# Allegro board trx_layout.brd (continued)
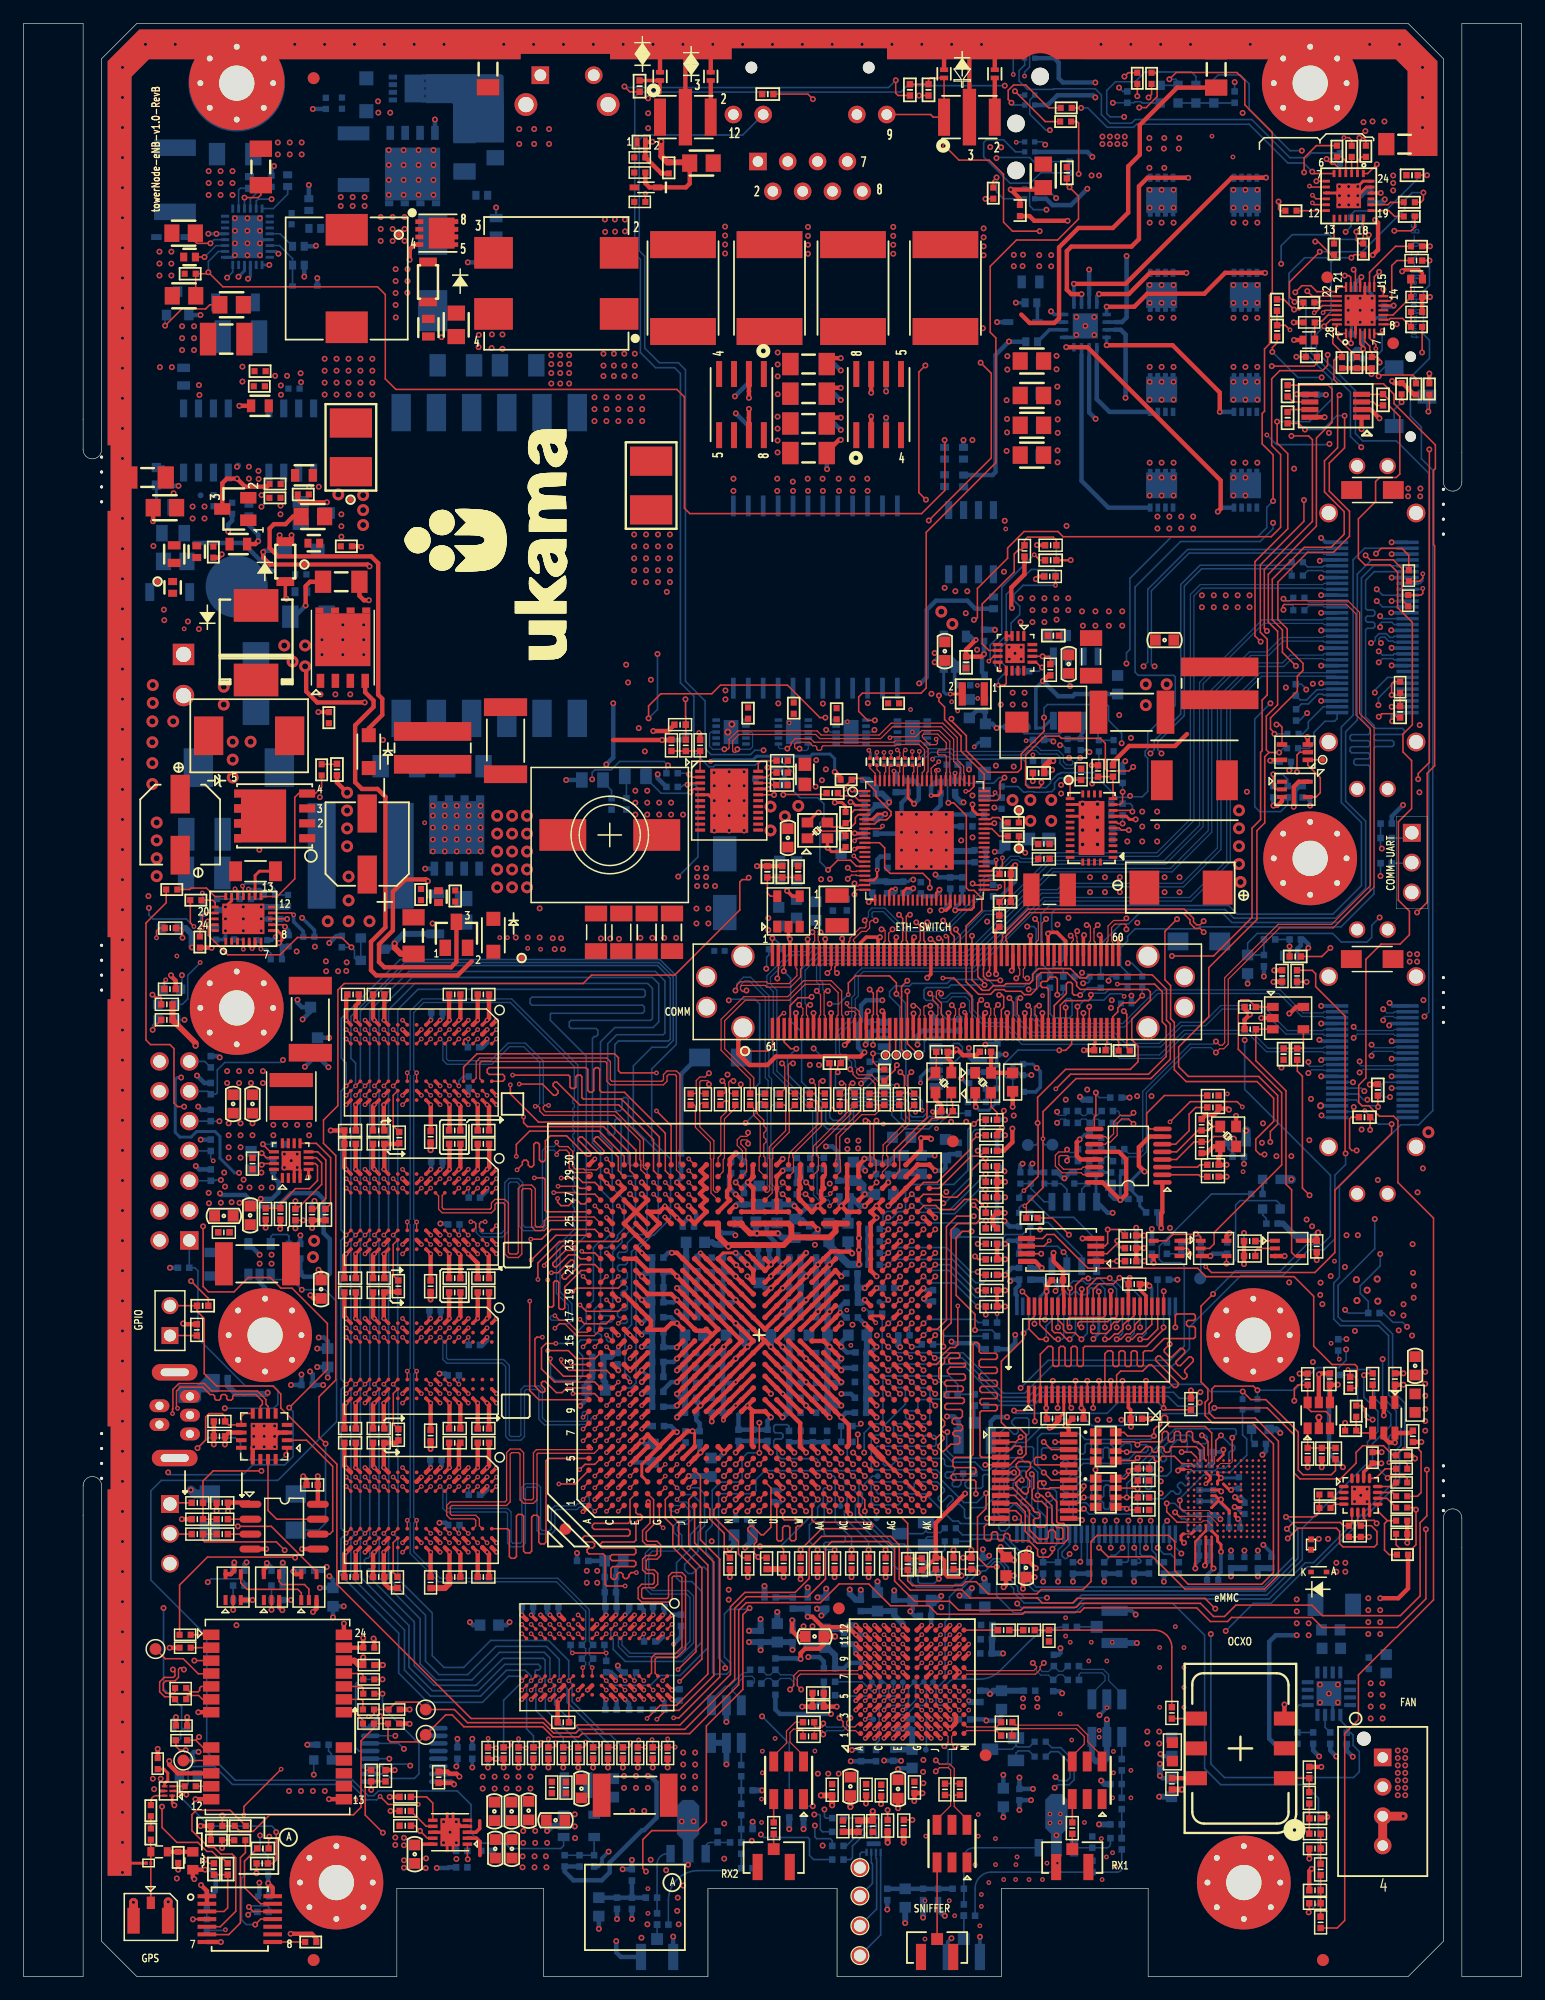
[diagram p0: board, top side]
## Nets (continued)
GND: C1.2(B[0]) C2B1.2(B[0]) C5.2(B[0]) C6.1 C8.2(B[0]) C9.2(B[0]) C19.2(B[0]) C20.2 C21.1 C23.1 C25.2 C26.2 C27.2 C28.2 C29.2 C30.1 C31.2(B[0]) C32.2(B[0]) C33.2(B[0]) C34.2(B[0]) C37.2 C38.2 C40.1 C41.2 C43.2 C48.2 C49.2 C52.2 C53.2 C54.2 C55.2 C56.2(B[0]) C57.2 C58.2 C59.2 C60.2 C61.2 C62.2 C63.2 C76.2 C77.2 C79.2 C80.2 C81.2 C82.2 C83.2 C84.2 C85.2 C86.2 C87.2 C88.2 C89.2 C90.2 C91.2 C92.2 C93.1 C94.1 C95.2 C96.2 C97.2 C98.2 C99.2 C100.2 C101.2 C102.2 C103.2 C104.2 C105.2 C106.2 C107.2 C108.2 C109.2 C110.2 C111.2 C112.2 C113.2 C114.2 C115.2 C116.1 C117.2 C118.2 C119.2 C120.2 C121.2 C122.2 C123.1 C124.2 C125.2 C126.2 C127.2 C128.2 C129.1 C130.1 C133.2 C134.2 C135.2 C136.2 C137.2 C138.2 C139.2 C141.2 C142.1 C143.1 C144.1 C145.1 C148.1 C151.1 C152.2 C153.2 C154.2 C156.2 C157.2 C158.2 C159.2 C160.2 C163.2 C164.2 C165.2 C166.2 C167.2 C168.2 C169.2 C170.2 C171.2 C172.2 C176.2 C177.2 C178.2 C179.2 C180.2 C181.2 C182.2 C193.2(B[0]) C195.2(B[0]) C196.2(B[0]) C200.2 C201.2 C203.2 C206.2 C209.1 C210.2 C211.2 C212.2 C213.2 C220.1 C225.2 C226.2 C231.2 C235.2 C236.2(B[0]) C237.2(B[0]) C238.2 C239.2 C240.2(B[0]) C241.2 C242.1 C248.2 C249.2 C251.2 C252.2 C254.2 C257.2 C258.2 C259.2 C260.2 C261.2 C262.2 C263.2 C264.2 C266.2 C267.2 C268.2 C269.2 C270.2 C271.2 C272.2 C273.2 C274.2 C275.2 C276.2 C277.2 C278.2 C279.2 C280.2 C281.2 C282.2 C283.2 C286.2 C287.2 C288.2 C289.2 C290.2 C291.2 C292.2 C293.2 C294.2 C295.2 C296.2 C297.2 C298.2 C299.2 C302.2 C303.2 C304.2 C305.2 C306.2 C307.2 C308.2 C309.2 C310.2 C311.2 C312.2 C313.2 C314.2 C315.2 C316.2 C317.2 C318.2 C319.2 C320.2 C321.2 C322.2 C323.2 C324.2 C325.2 C326.2 C327.2 C328.2 C329.2 C330.2 C331.2 C332.2 C333.2 C334.2 C335.2 C336.2 C337.2 C338.2 C339.2 C340.2 C341.2 C342.2 C343.2 C344.2 C345.2 C346.2 C347.2 C348.2 C349.2 C350.2 C351.2 C352.2 C353.2 C354.2 C355.2 C356.2 C357.2 C358.2 C359.2 C360.2 C361.2 C362.2 C363.2 C364.2 C365.2 C366.2 C367.2 C368.2 C369.2 C370.2 C371.2 C372.2 C373.2 C374.2 C375.2 C376.2 C377.2 C378.2 C379.2 C380.2 C381.2 C382.2 C383.2 C384.2 C385.2 C386.2 C387.2 C388.2 C389.2 C390.2 C391.2 C392.2 C393.2 C394.2 C395.2 C396.2 C397.2 C398.2 C399.1 C400.2 C401.2 C402.2 C403.2 C404.2 C405.2 C406.2 C407.2 C408.2 C409.1 C410.2 C411.2 C412.2 C413.2 C414.2 C415.2 C416.1 C417.2 C418.2 C420.2 C421.2 C424.2 C428.2 C429.2 C430.2 C431.2 C432.2 C433.2 C434.2 C435.2 C436.1 C437.2 C438.2 C439.2 C440.2 C441.1 C444.2 C445.2 C446.2 C447.2 C448.2 C449.2 C450.2 C451.2 C452.2 C456.2 C458.1 C459.1 C461.2 C462.1 C463.1 C464.2 C601.2 C602.2 C603.2 C604.2 C605.2 C606.1 C607.1 C616.2 C617.2 C618.2 C619.2 C620.2 C621.2 C622.2 C623.2 C624.2 C625.2 C626.2 C627.2 C628.2 C629.2 C630.2 C631.2 C632.2 C633.2 C634.2 C635.2 C636.2 C638.2 C639.2 C640.2 C641.2 C642.2 C643.2 C644.2 C645.2 C646.2 C647.2 C648.2 C649.2 C650.2 C651.2 C652.1 C653.2 C654.1 CON1.2 CON1.3 D5.2 D8.3 D9.2 D22.2 D24.K D26.2 D28.2 H3.1 H3.2 H3.3 H3.4 H3.5 H3.6 H3.7 H3.8 H3.9 H4.1 H4.2 H4.3 H4.4 H4.5 H4.6 H4.7 H4.8 H4.9 H5.1 H5.2 H5.3 H5.4 H5.5 H5.6 H5.7 H5.8 H5.9 H6.1 H6.2 H6.3 H6.4 H6.5 H6.6 H6.7 H6.8 H6.9 H7.1 H7.2 H7.3 H7.4 H7.5 H7.6 H7.7 H7.8 H7.9 H8.1 H8.2 H8.3 H8.4 H8.5 H8.6 H8.7 H8.8 H8.9 J1.3 J1.4 J3.3 J4.4 J4.7 J4.10 J4.13 J4.16 J4.19 J4.22 J4.25 J4.28 J4.39 J4.42 J4.45 J4.48 J4.51 J4.54 J4.57 J4.60 J4.65 J4.68 J4.71 J4.74 J4.77 J4.80 J4.85 J4.88 J4.91 J4.94 J4.97 J4.101 J4.104 J4.107 J4.G1 J4.G2 J4.G3 J4.G4 J5.2 J5.4 J5.6 J5.8 J5.10 J7.5 J7.SH1 J7.SH2 J8.3 J9.2 J9.3 J10.2 J10.3 J11.2 J11.3 J13.1 J13.3 J13.7 J13.13 J13.16 J13.19 J13.22 J13.28 J13.29 J13.30 J13.31 J13.34 J13.37 J13.40 J13.43 J13.46 J13.49 J13.52 J13.55 J13.58 J13.G1 J13.G2 J13.G3 J13.G4 J16.1 J16.4 J16.7 J16.10 J16.13 J16.21 J16.24 J16.27 J16.30 J16.33 J16.38 J16.G1 J16.G2 J16.G3 J16.G4 J17.2 J17.3 J18.2 J18.3 J19.2 J19.3 J20.2 J20.3 J21.2 LED2.2 LED3.2 LED6.2 LED10.2 Q11.1 Q11.2 Q11.3(S3) Q30.1 Q30.2 Q30.3(S3) Q34.3(E) R1.1 R39.2(B[0]) R48.2(B[0]) R51.1 R56.2 R59.1 R62.1 R63.1 R70.1 R73.2 R74.1 R78.2 R87.2 R103.1 R104.1 R116.1 R117.2 R122.1 R126.1 R128.1 R130.1 R132.1 R136.1 R138.1 R150.2 R151.1 R159.1 R162.1 R163.1 R164.1 R190.1 R197.1 R200.1 R203.2 R214.1 R234.2 R235.1 R291.1 R294.1 R313.2 R317.1 R318.1 R324.1 R327.1 R332.1 R333.2 R334.1 R337.2 R339.1 R341.2 R342.1 R343.1 R344.1 R345.1 R347.2 R350.2 R351.2 R353.2 R354.1 R355.2 R356.1 R365.2 R366.1 R368.2 R370.1 R371.2 R374.2 R375.1 R379.1 R382.2 R383.2 R384.1 R387.1 R389.2 R391.1 R405.1 R406.2 R408.1 R418.1 R421.1 R433.2 R435.1 R440.1 R443.1 R444.2 R445.2 R447.2 R449.1 R464.2 R465.2 R466.2 R468.2 R469.1 R475.2 R476.1 R546.1 R639.1 R641.2 R642.1 R644.1 R646.1 R649.1 R657.2 R658.2 R679.2(B[0]) R680.1 R681.2 R689.2 R694.2 R699.1 R701.1 R703.1 R705.1 R719.2 R732.2 R733.2 R734.2 R735.2 S1.1 S1.3 S1.4 SW1.2 U1.A1 U1.A30 U1.AA6 U1.AA10 U1.AA12 U1.AA14 U1.AA16 U1.AA18 U1.AA20 U1.AA22 U1.AA26 U1.AA27 U1.AA28 U1.AA29 U1.AA30 U1.AB9 U1.AB11 U1.AB13 U1.AB15 U1.AB16 U1.AB17 U1.AB19 U1.AB21 U1.AB26 U1.AC2 U1.AC6 U1.AC26 U1.AC27 U1.AC28 U1.AC29 U1.AC30 U1.AD26 U1.AD29 U1.AD30 U1.AE6 U1.AE8 U1.AE10 U1.AE12 U1.AE14 U1.AE17 U1.AE19 U1.AE21 U1.AE22 U1.AE23 U1.AE24 U1.AE25 U1.AE26 U1.AF5 U1.AF17 U1.AF26 U1.AF27 U1.AG4 U1.AG13 U1.AG22 U1.AG27 U1.AH3 U1.AH28 U1.AH29 U1.AJ2 U1.AJ8 U1.AJ19 U1.AJ29 U1.AJ30 U1.AK2 U1.AK25 U1.AK30 U1.B2 U1.B29 U1.C3 U1.C28 U1.D4 U1.D6 U1.D9 U1.D13 U1.D16 U1.D19 U1.D22 U1.D25 U1.D27 U1.E5 U1.E7 U1.E9 U1.E11 U1.E13 U1.E15 U1.E18 U1.E20 U1.E22 U1.E24 U1.E26 U1.F4 U1.F6 U1.F8 U1.F10 U1.F12 U1.F14 U1.F16 U1.F17 U1.F19 U1.F21 U1.F23 U1.F25 U1.F27 U1.G5 U1.H6 U1.H25 U1.J4 U1.J5 U1.J10 U1.J12 U1.J14 U1.J15 U1.J16 U1.J18 U1.J20 U1.J22 U1.J26 U1.J27 U1.K6 U1.K9 U1.K11 U1.K13 U1.K15 U1.K17 U1.K19 U1.K21 U1.K25 U1.L10 U1.L12 U1.L14 U1.L18 U1.L20 U1.L22 U1.L26 U1.L27 U1.L28 U1.L29 U1.L30 U1.M6 U1.M9 U1.M11 U1.M13 U1.M15 U1.M17 U1.M19 U1.M21 U1.M26 U1.N6 U1.N10 U1.N12 U1.N14 U1.N16 U1.N18 U1.N20 U1.N22 U1.N27 U1.N28 U1.N29 U1.N30 U1.P2 U1.P9 U1.P11 U1.P13 U1.P15 U1.P17 U1.P19 U1.P21 U1.P26 U1.R6 U1.R9 U1.R10 U1.R12 U1.R14 U1.R16 U1.R18 U1.R22 U1.R26 U1.R27 U1.R28 U1.R29 U1.R30 U1.T9 U1.T13 U1.T15 U1.T17 U1.T19 U1.T21 U1.T22 U1.T26 U1.U3 U1.U6 U1.U10 U1.U12 U1.U14 U1.U16 U1.U18 U1.U20 U1.U22 U1.U26 U1.U27 U1.U28 U1.U29 U1.U30 U1.V9 U1.V11 U1.V13 U1.V15 U1.V17 U1.V19 U1.V21 U1.V26 U1.W6 U1.W10 U1.W12 U1.W14 U1.W16 U1.W18 U1.W20 U1.W22 U1.W27 U1.W28 U1.W29(VSS_QLM1_9) U1.W30 U1.Y4 U1.Y9 U1.Y11 U1.Y13 U1.Y17 U1.Y19 U1.Y21 U1.Y26 U3.A4 U3.A5 U3.A6 U3.A12 U3.B1 U3.B2 U3.B12 U3.C1 U3.C2 U3.C4 U3.C7 U3.C8 U3.C9 U3.C10 U3.C11 U3.C12 U3.D1 U3.D12 U3.E1 U3.F1 U3.F3 U3.F7 U3.F9 U3.F11 U3.G1 U3.G10 U3.G12 U3.H1 U3.H2 U3.H3 U3.H6 U3.H7 U3.H9 U3.H10 U3.J1 U3.J2 U3.K2 U3.K12 U3.L2 U3.L3 U3.L7 U3.L8 U3.L9 U3.L10 U3.L11 U3.L12 U3.M4 U3.M5 U3.M6 U4.3 U4.4 U4.5 U4.17 U5.3 U6.3 U7.5 U7.23 U8.17 U8.19 U8.23 U8.24 U8.25 U8.26 U8.31 U10.2 U11.A9 U11.B1 U11.B3 U11.B9 U11.D1 U11.D8 U11.E1 U11.E2 U11.E8 U11.F9 U11.G1 U11.G8 U11.G9 U11.J2 U11.J8 U11.M1 U11.M9 U11.P1 U11.P9 U11.T1 U11.T9 U12.2 U13.7 U13.13 U14.3 U14.4 U14.5 U14.17 U15.A9 U15.B1 U15.B3 U15.B9 U15.D1 U15.D8 U15.E1 U15.E2 U15.E8 U15.F9 U15.G1 U15.G8 U15.G9 U15.J2 U15.J8 U15.M1 U15.M9 U15.P1 U15.P9 U15.T1 U15.T9 U16.3 U17.3 U18.3 U19.4 U21.3 U21.17 U21.29 U22.4 U22.10 U22.15 U22.21 U22.28 U22.34 U22.39 U22.45 U23.A9 U23.B1 U23.B3 U23.B9 U23.D1 U23.D8 U23.E1 U23.E2 U23.E8 U23.F9 U23.G1 U23.G8 U23.G9 U23.J2 U23.J8 U23.M1 U23.M9 U23.P1 U23.P9 U23.T1 U23.T9 U24.5 U25.2 U26.3 U26.13 U26.17 U27.12 U28.8 U28.17 U29.A6 U29.C4 U29.E7 U29.G5 U29.H10 U29.J5 U29.K8 U29.N2 U29.N5 U29.P4 U29.P6(VSSQ5) U30.A9 U30.B1 U30.B3 U30.B9 U30.D1 U30.D8 U30.E1 U30.E2 U30.E8 U30.F9 U30.G1 U30.G8 U30.G9 U30.J2 U30.J8 U30.M1 U30.M9 U30.P1 U30.P9 U30.T1 U30.T9 U31.4 U31.5 U32.3 U33.3 U34.3 U35.A9 U35.B1 U35.B3 U35.B9 U35.D1 U35.D8 U35.E1 U35.E2 U35.E8 U35.F9 U35.G1 U35.G8 U35.G9 U35.J2 U35.J8 U35.M1 U35.M9 U35.P1 U35.P9 U35.T1 U35.T9 U37.10 U37.12 U37.13 U37.24 U38.3 U39.1 U39.2 U39.5 U40.1 U40.2 U40.5 U41.1 U41.5 U42.4 U42.8 U42.EP1 U43.1 U43.2 U43.5 U44.8 U50.5 U51.2 U52.11 U53.11 U54.11 U55.11 U57.3 U58.1 U59.1 U62.4 U63.2 U64.33 U64.52 U65.6 U65.17 U66.1 U66.2 U66.5 U67.1 U67.2 U67.5 U68.8 U68.15 U69.2 U70.2 U71.2 U83.2 U87.1 U87.2 U87.7 U90.9 U242.9 U242.22 U242.23 U242.24 U242.25 U243.89 U245.2 U246.5 U246.6 U246.8 U246.18 U246.25 U248.2 U250.1 U250.2 U250.3 U250.4 Y2.2 Y2.4 Y3.2 Y3.4 Y4.2 Y4.4 Z1.2
GND_POWER: C7.1 C10.1 C11.2 C12.2 C20.1 C186.1 C188.2 C189.2 C191.2 C194.2 D7.2 D16.1(K) D17.2 D18.2 D19.2 L2.4 Q14.1 Q14.2 Q14.3(S3) R27.1 R29.1 R32.1 R44.2 R245.1 R248.2 R250.1 R252.1 R256.2 R730.2 T1.6 U45.1 U45.19 U45.29 U50.2
V1P8_S: C240.1 C650.1 J4.116 J4.117 R11.2 R102.2 R115.2 R295.1 R656.1 R659.1 U58.2 U59.2 U248.1
V3P3: C237.1 J4.PC3
V3P3_A: C242.2(B[0]) C651.1 J4.PC1 U248.6(VCCB)
V3RD: T1.1
VCC: C186.2 C194.1 L17.1 R251.2 U45.6 U45.7 U45.8 U45.9 U45.21 U49.6
VDD_CORE: C628.1 C629.1 C630.1 C631.1 C632.1 FB20.1 U243.10 U243.23 U243.44 U243.61
VDD_GPO: C414.1 C424.1 L33.2 U3.B8
VDDA_1V3_BB: C429.1 C430.1 L38.2 U3.K4
VDDA_1V3_RX_LO: C435.1 C440.1 L39.2 U3.E2 U3.F2
VDDA_1V3_RX_SYNTH: C160.1 C164.1 L14.2 U3.J3
VDDA_1V3_RX_TX: C156.1 C163.1 L15.2 U3.D2 U3.D3 U3.E3
VDDA_1V3_TX_LO: C412.1 C413.1 L32.2 U3.B9 U3.B10
VDDA_1V3_TX_SYNTH: C434.1 C448.1 L41.2 U3.K3
VDDD_1V3_DIG: C398.1 C401.1 L31.2 U3.F12
VIN: C12.1 C17.1 C191.1 D19.1(CATHODE) L1.2 R33.1 R270.2 T1.2 U45.24
1P5: C600.1 C602.1 C603.1 C604.1 C605.1 FB18.2 L48.1 R545.1
1PPS_OUT: J6.2 R7.2 R413.1
4G_IN_12V: C17.2 C38.1 C212.1 C213.1 D29.1 L18.2 LIP1.1 Q12.3(COLLECTOR) Q29.3(COLLECTOR) R50.2 R58.2 R90.1 R279.2
7130_BOOT_AD0: U1.AF1 U27.4
7130_BOOT_AD1: U1.AF2 U27.5 U64.31
7130_BOOT_AD2: U1.AE3 U27.6 U64.26
7130_BOOT_AD3: U1.AG1 U27.7 U64.25
7130_BOOT_AD4: U1.AH1 U27.8 U64.24
7130_BOOT_AD5: U1.AG2 U27.9 U64.23
7130_BOOT_AD6: U1.AF3 U27.10 U64.22
7130_BOOT_AD7: U1.AE4 U27.11 U64.21
7130_BOOT_AD8: R433.1 R434.1 U1.AD5 U64.20
7130_BOOT_AD9: R430.1 U1.AJ1 U64.10
7130_BOOT_AD10: R425.1 U1.AH2 U64.9
7130_BOOT_AD11: R429.1 U1.AG3 U64.8
7130_BOOT_AD12: R428.1 U1.AF4 U64.7
7130_BOOT_AD13: U1.AD6 U64.6
7130_BOOT_AD14: R427.1 U1.AH4 U64.5
7130_BOOT_AD15: R426.1 U1.AK3 U64.4
7130_BOOT_AD16: U1.AG5 U22.47 U64.35
7130_BOOT_AD17: U1.AJ4 U22.46 U64.37
7130_BOOT_AD18: U1.AF6 U22.44 U64.39
7130_BOOT_AD19: U1.AH5 U22.43 U64.41
7130_BOOT_AD20: U1.AK4 U22.41 U64.44
7130_BOOT_AD21: U1.AG6 U22.40 U64.46
7130_BOOT_AD22: U1.AJ5 U22.38 U64.48
7130_BOOT_AD23: U1.AH6 U22.37 U64.50
7130_BOOT_AD24: U1.AF7 U22.36 U64.36
7130_BOOT_AD25: U1.AK5 U22.35 U64.38
7130_BOOT_AD26: U1.AJ6 U22.33 U64.40
7130_BOOT_AD27: U1.AG7 U22.32 U64.42
7130_BOOT_AD28: U1.AK6 U22.30 U64.45
7130_BOOT_AD29: U1.AH7 U22.29 U64.47
7130_BOOT_AD30: U1.AF8 U22.27 U64.49
7130_BOOT_AD31: U1.AJ7 U22.26 U64.51
7130_BOOT_ALE: U1.AK11 U22.25 U22.48
7130_BOOT_CE0: U1.AG8 U64.32
7130_BOOT_CE1: U1.AK7 U27.2
7130_BOOT_CE5: R417.1 U27.3
7130_BOOT_OE: U1.AJ11 U64.34
7130_BOOT_WAIT: R432.1 U1.AH11 U64.17
7130_BOOT_WE: U1.AG11 U64.13
7130_CE: R306.1 U1.AJ9
7130_CORE_PLL_VDD33: C259.1 C261.1 L22.1 U1.AD27
7130_DDR3_A0: R221.1 U1.D20 U11.N3 U15.N3 U23.N3 U30.N3 U35.N3
7130_DDR3_A1: R459.1 U1.D17 U11.P7 U15.P7 U23.P7 U30.P7 U35.P7
7130_DDR3_A2: R220.1 U1.D18 U11.P3 U15.P3 U23.P3 U30.P3 U35.P3
7130_DDR3_A3: R224.1 U1.D14 U11.N2 U15.N2 U23.N2 U30.N2 U35.N2
7130_DDR3_A4: R458.1 U1.C15 U11.P8 U15.P8 U23.P8 U30.P8 U35.P8
7130_DDR3_A5: R460.1 U1.B15 U11.P2 U15.P2 U23.P2 U30.P2 U35.P2
7130_DDR3_A6: R219.1 U1.C14 U11.R8 U15.R8 U23.R8 U30.R8 U35.R8
7130_DDR3_A7: R462.1 U1.B14 U11.R2 U15.R2 U23.R2 U30.R2 U35.R2
7130_DDR3_A8: R217.1 U1.A15 U11.T8 U15.T8 U23.T8 U30.T8 U35.T8
7130_DDR3_A9: R218.1 U1.C12 U11.R3 U15.R3 U23.R3 U30.R3 U35.R3
7130_DDR3_A10: R455.1 U1.A20 U11.L7 U15.L7 U23.L7 U30.L7 U35.L7
7130_DDR3_A11: R461.1 U1.D12 U11.R7 U15.R7 U23.R7 U30.R7 U35.R7
7130_DDR3_A12: R457.1 U1.A12 U11.N7 U15.N7 U23.N7 U30.N7 U35.N7
7130_DDR3_A13: R216.1 U1.B22 U11.T3 U15.T3 U23.T3 U30.T3 U35.T3
7130_DDR3_A14: R463.1 U1.D11 U11.T7 U15.T7 U23.T7 U30.T7 U35.T7
7130_DDR3_A15: R456.1 U1.B11 U11.M7 U15.M7 U23.M7 U30.M7 U35.M7
7130_DDR3_BA0: R454.1 U1.B20 U11.M2 U15.M2 U23.M2 U30.M2 U35.M2
7130_DDR3_BA1: R222.1 U1.C20 U11.N8 U15.N8 U23.N8 U30.N8 U35.N8
7130_DDR3_BA2: R223.1 U1.A11 U11.M3 U15.M3 U23.M3 U30.M3 U35.M3
7130_DDR3_CAS: R226.1 U1.A22 U11.K3 U15.K3 U23.K3 U30.K3 U35.K3
7130_DDR3_CB0: U1.B8 U23.H7
7130_DDR3_CB1: U1.A8 U23.F7
7130_DDR3_CB2: U1.C8 U23.H8
7130_DDR3_CB3: U1.D8 U23.F8
7130_DDR3_CB4: U1.B10 U23.H3
7130_DDR3_CB5: U1.A10 U23.E3
7130_DDR3_CB6: U1.D10 U23.G2
7130_DDR3_CB7: U1.C10 U23.F2
7130_DDR3_CBS0N: U1.B9 U23.G3
7130_DDR3_CBS0P: U1.A9 U23.F3
7130_DDR3_CKE0: R452.1 U1.A13 U11.K9 U15.K9 U23.K9 U30.K9 U35.K9
7130_DDR3_CLK0N: C419.2 R442.1 U1.B16 U11.K7 U15.K7 U23.K7 U30.K7 U35.K7
7130_DDR3_CLK0P: C419.1 R441.1 U1.A16 U11.J7 U15.J7 U23.J7 U30.J7 U35.J7
7130_DDR3_CS0: R453.1 U1.C18 U11.L2 U15.L2 U23.L2 U30.L2 U35.L2
7130_DDR3_DQ0: U1.K1 U35.H8
7130_DDR3_DQ1: U1.K2 U35.F7
7130_DDR3_DQ2: U1.K3 U35.H7
7130_DDR3_DQ3: U1.K4 U35.F8
7130_DDR3_DQ4: U1.H1 U35.H3
7130_DDR3_DQ5: U1.H2 U35.E3
7130_DDR3_DQ6: U1.H3 U35.G2
7130_DDR3_DQ7: U1.H4 U35.F2
7130_DDR3_DQ8: U1.G1 U35.D7
7130_DDR3_DQ9: U1.G2 U35.B8
7130_DDR3_DQ10: U1.G3 U35.C8
7130_DDR3_DQ11: U1.G4 U35.A7
7130_DDR3_DQ12: U1.E1 U35.A3
7130_DDR3_DQ13: U1.E2 U35.C2
7130_DDR3_DQ14: U1.E4 U35.C3
7130_DDR3_DQ15: U1.E3 U35.A2
7130_DDR3_DQ16: U1.D1 U30.H8
7130_DDR3_DQ17: U1.D2 U30.F7
7130_DDR3_DQ18: U1.C2 U30.H7
7130_DDR3_DQ19: U1.C1 U30.F8
7130_DDR3_DQ20: U1.A3 U30.H3
7130_DDR3_DQ21: U1.B3 U30.E3
7130_DDR3_DQ22: U1.A4 U30.G2
7130_DDR3_DQ23: U1.B4 U30.F2
7130_DDR3_DQ24: U1.B5 U30.D7
7130_DDR3_DQ25: U1.A5 U30.A7
7130_DDR3_DQ26: U1.C5 U30.C8
7130_DDR3_DQ27: U1.D5 U30.B8
7130_DDR3_DQ28: U1.B7 U30.C3
7130_DDR3_DQ29: U1.A7 U30.A2
7130_DDR3_DQ30: U1.C7 U30.A3
7130_DDR3_DQ31: U1.D7 U30.C2
7130_DDR3_DQ32: U1.B24 U15.H7
7130_DDR3_DQ33: U1.A24 U15.F7
7130_DDR3_DQ34: U1.D24 U15.H8
7130_DDR3_DQ35: U1.C24 U15.F8
7130_DDR3_DQ36: U1.B26 U15.E3
7130_DDR3_DQ37: U1.A26 U15.H3
7130_DDR3_DQ38: U1.D26 U15.G2
7130_DDR3_DQ39: U1.C26 U15.F2
7130_DDR3_DQ40: U1.B28 U15.D7
7130_DDR3_DQ41: U1.A28 U15.A7
7130_DDR3_DQ42: U1.B27 U15.C8
7130_DDR3_DQ43: U1.A27 U15.B8
7130_DDR3_DQ44: U1.D30 U15.C2
7130_DDR3_DQ45: U1.D29 U15.C3
7130_DDR3_DQ46: U1.C30 U15.A2
7130_DDR3_DQ47: U1.C29 U15.A3
7130_DDR3_DQ48: U1.E30 U11.E3
7130_DDR3_DQ49: U1.E29 U11.F7
7130_DDR3_DQ50: U1.E28 U11.H8
7130_DDR3_DQ51: U1.E27 U11.F8
7130_DDR3_DQ52: U1.G30 U11.H3
7130_DDR3_DQ53: U1.G29 U11.F2
7130_DDR3_DQ54: U1.G28 U11.G2
7130_DDR3_DQ55: U1.G27 U11.H7
7130_DDR3_DQ56: U1.H30 U11.D7
7130_DDR3_DQ57: U1.H29 U11.A7
7130_DDR3_DQ58: U1.H28 U11.C8
7130_DDR3_DQ59: U1.H27 U11.B8
7130_DDR3_DQ60: U1.K30 U11.C2
7130_DDR3_DQ61: U1.K29 U11.A2
7130_DDR3_DQ62: U1.K28 U11.A3
7130_DDR3_DQ63: U1.K27 U11.C3
7130_DDR3_DQS0N: U1.J2 U35.G3
7130_DDR3_DQS0P: U1.J1 U35.F3
7130_DDR3_DQS1N: U1.F2 U35.B7
7130_DDR3_DQS1P: U1.F1 U35.C7
7130_DDR3_DQS2N: U1.B1 U30.G3
7130_DDR3_DQS2P: U1.A2 U30.F3
7130_DDR3_DQS3N: U1.B6 U30.B7
7130_DDR3_DQS3P: U1.A6 U30.C7
7130_DDR3_DQS4N: U1.A25 U15.G3
7130_DDR3_DQS4P: U1.B25 U15.F3
7130_DDR3_DQS5N: U1.B30 U15.B7
7130_DDR3_DQS5P: U1.A29 U15.C7
7130_DDR3_DQS6N: U1.F29 U11.G3
7130_DDR3_DQS6P: U1.F30 U11.F3
7130_DDR3_DQS7N: U1.J29 U11.B7
7130_DDR3_DQS7P: U1.J30 U11.C7
7130_DDR3_ODT0: R228.1 U1.C17 U11.K1 U15.K1 U23.K1 U30.K1 U35.K1
7130_DDR3_RAS: R227.1 U1.A21 U11.J3 U15.J3 U23.J3 U30.J3 U35.J3
7130_DDR3_RESET: R464.1 U1.C11 U11.T2 U15.T2 U23.T2 U30.T2 U35.T2
7130_DDR3_VREF: C338.1 C345.1 R406.1 R407.2 U1.D15
7130_DDR3_WE: R225.1 U1.B21 U11.L3 U15.L3 U23.L3 U30.L3 U35.L3
7130_DDR3PLL: C257.1 C258.1 L21.1 U1.AF28
7130_DSP_JTAG_TCK: R198.2 U1.AC3
7130_DSP_JTAG_TDI: R196.2 U1.AA4
7130_DSP_JTAG_TDO: R415.2 U1.Y5
7130_DSP_JTAG_TMS: R194.2 U1.AA3
7130_DSP_JTAG_TRST: R197.2 U1.AB3
7130_EJTAG_TDO: J5.5 R346.2 U1.AG21
7130_EJTAG_TRST_L: J5.1 R387.2 U1.AH22
7130_GPIO0: LED9.2 U1.AG12
7130_GPIO8: R2N2.1 R166.1 U1.AK14
7130_GPIO10_3V3: R661.2 U59.6
7130_GPIO13_3V3: R399.2 U59.5
7130_GPIO14_3V3: R398.2 U58.6
7130_HOT: R167.2 R173.2 TP30.1(PAD) U1.AH12
7130_I2C0_EEPROM_WP: R382.1 R401.2 U19.7(WP)
7130_I2C1_EEPROM_WP: R367.2 R371.1 R394.2 TP23.1(TP) U62.7(WP)
7130_JTAG_TCK: J5.9 R329.2 U1.AG20
7130_JTAG_TDI: J5.3 U1.AH21
7130_JTAG_TMS: J5.7 R335.2 U1.AF20
7130_LATCH_A16: U22.2 U64.3
7130_LATCH_A17: U22.3 U64.54
7130_LATCH_A18: U22.5 U64.19
7130_LATCH_A19: U22.6 U64.18
7130_LATCH_A20: U22.8 U64.11
7130_LATCH_A21: U22.9 U64.12
7130_LATCH_A22: U22.11 U64.15
7130_LATCH_A23: U22.12 U64.2
7130_LATCH_A24: U22.13 U64.1
7130_LATCH_A25: U22.14 U64.56
7130_LATCH_A26: U22.16 U64.55
7130_LATCH_A27: U22.17 U64.27
7130_LATCH_A28: U22.19
7130_LATCH_A29: U22.20
7130_LATCH_A30: U22.22
7130_LATCH_A31: U22.23
7130_MDC1: TP36.1(PAD) U1.AE1
7130_MDIO1: TP34.1(PAD) U1.AD3
7130_MISO: R305.1 U1.AH23
7130_MOSI: R304.1 U1.AK24
7130_MSC_CLKOUT_EN: R397.2 U1.AH16
7130_PCIE_BOOT: R369.2 U1.AF24
7130_PCIE_MODE: R134.2 R365.1 U1.AJ26
7130_PCIE_RST: R414.2 R416.2
7130_PHY_PLL_VDD33: C263.1 C273.1 L25.1 U1.AE27
7130_PHY_PWM: R240.1 U1.AF12
7130_PLL_MUL0: R386.2 R389.1 U1.AF21
7130_PLL_MUL1: R147.2 R383.1 U1.AG24
7130_PLL_MUL2: R150.1 R381.2 U1.AF22
7130_PLL_MUL3: R142.2 R374.1 U1.AG25
7130_PLL_MUL4: R337.1 R373.2 U1.AF23
7130_PLL_REFCLK50: R124.2 U1.AF25
7130_QLM0_REFCLKN: C245.2 U1.P30
7130_QLM0_REFCLKP: C246.2 U1.P29
7130_QLM0_RXN0: C65.1 U243.19
7130_QLM0_RXN1: C70.1 J4.21
7130_QLM0_RXP0: C64.1 U243.18
7130_QLM0_RXP1: C71.1 J4.20
7130_QLM0_TXN0: C66.2 U243.22
7130_QLM0_TXN1: C69.2 J4.72
7130_QLM0_TXP0: C67.2 U243.21
7130_QLM0_TXP1: C68.2 J4.73
7130_QLM1_RXN0: C243.2 U1.V28
7130_QLM1_RXN1: C255.2 U1.AB28
7130_QLM1_RXP0: C244.2 U1.V27
7130_QLM1_RXP1: C256.2 U1.AB27
7130_QLM1_TXN0: C72.1 U1.V30
7130_QLM1_TXN1: C74.1 U1.AB30
7130_QLM1_TXP0: C73.1 U1.V29
7130_QLM1_TXP1: C75.1 U1.AB29
7130_RESET_SW_L: J5.11 R325.2 U1.AJ12
7130_RF2_D0: U1.U1 U3.K11
7130_RF2_D1: U1.U4 U3.J12
7130_RF2_D2: U1.U5 U3.K10
7130_RF2_D3: U1.V1 U3.J11
7130_RF2_D4: U1.V2 U3.K9
7130_RF2_D5: U1.V3 U3.J10
7130_RF2_D6: U1.V4 U3.K8
7130_RF2_D7: U1.V5 U3.J9
7130_RF2_D8: U1.W1 U3.K7
7130_RF2_D9: U1.W2 U3.J8
7130_RF2_D10: U1.W3 U3.J7
7130_RF2_D11: U1.W4 U3.H8
7130_RF_D0: U1.R1 U3.E12
7130_RF_D1: U1.R2 U3.D11
7130_RF_D2: U1.R3 U3.E11
7130_RF_D3: U1.R4 U3.D10
7130_RF_D4: U1.P3 U3.E10
7130_RF_D5: U1.P4 U3.D9
7130_RF_D6: U1.P5 U3.E9
7130_RF_D7: U1.N1 U3.D8
7130_RF_D8: U1.N2 U3.E8
7130_RF_D9: U1.N3 U3.D7
7130_RF_D10: U1.N4 U3.F8
7130_RF_D11: U1.N5 U3.E7
7130_RF_ENABLE: U1.T5 U3.G6
7130_RF_FCLK: U1.T4 U3.F10
7130_RF_MCLK: U1.T1 U3.G11
7130_RF_RESET: R6.2 R685.1 U21.27
7130_RF_RXFRAME: U1.R5 U3.G8
7130_RF_SPI_CLK: U1.AA1 U3.J5
7130_RF_SPI_DI: R192.2 U1.Y2 U3.J4
7130_RF_SPI_DO: R193.2 U1.Y1 U3.L6
7130_RF_SPI_EN: R195.2 U1.AA2 U3.K6
7130_RF_TXFRAME: U1.T2 U3.G9
7130_RF_TXNRX: R191.2 U1.T3 U3.H4
7130_RX0: R175.2 R179.2 R180.1 U1.AH25
7130_RX1: U1.AK22 U68.4
7130_SCL0: R393.2 R486.1 R629.1 U1.AJ20
7130_SCL1: R392.2 R616.2 U1.AJ21
7130_SCLK: R307.1 U1.AK10
7130_SDA0: R152.2 R485.1 R628.1 U1.AK21
7130_SDA1: R153.2 R627.2 U1.AK20
7130_SMIO_MDC: R721.2 R722.1
7130_SMIO_MDIO: R720.2 R723.1
7130_SYS_PLL_MUL0: R133.2 R355.1 U1.AH26
7130_SYS_PLL_MUL1: R129.2 R341.1 U1.AJ27
7130_SYS_PLL_MUL2: R139.2 R368.1 U1.AG26
7130_SYS_PLL_MUL3: R125.2 R333.1 U1.AJ28
7130_SYS_PLL_MUL4: R131.2 R353.1 U1.AH27
7130_SYS_PLL_VDD33: C248.1 C249.1 L20.1 U1.AH30
7130_TX0: R183.2 R184.1 U1.AJ24
7130_TX1: U1.AJ22 U68.7
7130_TXCO_PWM: C176.1 R238.1 R239.2
7130_USB_DN0: R206.2 U1.AE30
7130_USB_DN1: J13.32 R120.1
7130_USB_DP0: R208.2 U1.AE29
7130_USB_DP1: J13.33 R121.1
7130_VDD: C279.1 C280.1 C281.1 C282.1 C287.1 C288.1 C289.1 C290.1 C296.1 C297.1 C298.1 C303.1 C305.1 C306.1 C307.1 C308.1 C312.1 C313.1 C314.1 C315.1 C319.1 C321.1 C322.1 C323.1 C327.1 C328.1 C329.1 C330.1 C334.1 C335.1 C336.1 C337.1 C341.1 C342.1 C343.1 C344.1 C348.1 C349.1 C350.1 C351.1 C354.1 C355.1 C356.1 C357.1 L23.2 L26.2 R71.2 R72.2 U1.AA9 U1.AA11 U1.AA13 U1.AA15 U1.AA17 U1.AA19 U1.AA21 U1.AB10 U1.AB12 U1.AB14 U1.AB18 U1.AB20 U1.AB22 U1.J9 U1.J11 U1.J13 U1.J17 U1.J19 U1.J21 U1.K10 U1.K12 U1.K14 U1.K16 U1.K18 U1.K20 U1.K22 U1.L9 U1.L11 U1.L13 U1.L15 U1.L16 U1.L17 U1.L19 U1.L21 U1.M10 U1.M12 U1.M14 U1.M16 U1.M18 U1.M20 U1.M22 U1.N9 U1.N11 U1.N13 U1.N15 U1.N17 U1.N19 U1.N21 U1.P10 U1.P12 U1.P14 U1.P16 U1.P18 U1.P20 U1.P22 U1.R11 U1.R13 U1.R15 U1.R17 U1.R19 U1.R20 U1.R21 U1.T10 U1.T11 U1.T12 U1.T14 U1.T16 U1.T18 U1.T20 U1.U9 U1.U11 U1.U13 U1.U15 U1.U17 U1.U19 U1.U21 U1.V10 U1.V12 U1.V14 U1.V16 U1.V18 U1.V20 U1.V22 U1.W9 U1.W11 U1.W13 U1.W15 U1.W17 U1.W19 U1.W21 U1.Y10 U1.Y12 U1.Y14 U1.Y15 U1.Y16 U1.Y18 U1.Y20 U1.Y22
7130_VDD_PG: R233.2 R292.2 U7.3 U14.15
7130_VREFCA: C254.1 C311.1 C369.1 C383.1 C391.1 C392.1 C404.1 R313.1 R424.2 U11.H1 U11.M8 U15.H1 U15.M8 U23.H1 U23.M8 U30.H1 U30.M8 U35.H1 U35.M8
7130_VTT: C166.1 C167.1 C168.1 C438.1 C439.1 C449.1 C450.1 R216.2 R217.2 R218.2 R219.2 R220.2 R221.2 R222.2 R223.2 R224.2 R225.2 R226.2 R227.2 R228.2 R452.2 R453.2 R454.2 R455.2 R456.2 R457.2 R458.2 R459.2 R460.2 R461.2 R462.2 R463.2 U42.3 U42.5(VOSNS)
7130_WDI: R8.2 U1.AF13
AD936X_1V3: C400.1 C411.1 C417.1 L14.1 L15.1 L29.1 L30.1 L31.1 L32.1 L38.1 L39.1 L41.1 R448.2 U65.10 U65.11 U65.12 U65.13 U65.14(VOUT#14)
AD936X_1V3_PG: R114.2 R450.2 U65.5
AD936X_1V8: C393.1 C407.1 L28.2 R188.1 R191.1 R192.1 R193.1 R195.1 U3.H12
AD936X_CLKOUT: J18.1 R439.1
AD936X_RESET_L: C133.1 R160.2 R188.2 U3.K5
AD936X_SYNCIN: R468.1 U3.H5
ADI_GPO_0: R473.2 U90.1
ADI_GPO_1: R471.2 U90.3
ADI_GPO_2: R472.2 U90.2
ADI_GPO_3: R470.2 U90.4
ALLPOWER_PG: U32.4(Y) U34.1
AUX_SUP: C10.2 R32.2 R731.2 U45.2
BG12: Q19.4 U46.14
BG36: Q18.4 U46.13
BG45: Q26.4 U46.8
BG78: Q27.4 U46.7
BUTTON_RESET_IN: R108.1 U1.AF15
BUTTON_RESET_OUT: R372.2 U1.AG16
C2_LED_P1_LED0: LED22.1 R714.1 U243.9
CALL_LED: LED8.2 U21.14
CB_I2C_MASTER_SEL_3P3: J4.31 R681.1 SW10.1
CB_INT_3P3: J4.114 R396.2
CHASIS_GND: C1.1 C2.2(B[0]) C3.3(G) C4.3(G) C5.1 C19.1 D1.2 D2.2 D3.2 D4.2 D15.2 H1.1 H1.2 H1.3 H1.4 H1.5 H1.6 H1.7 H1.8 H1.9 H2.1 H2.2 H2.3 H2.4 H2.5 H2.6 H2.7 H2.8 H2.9
CONFIG_RST_SW: R10.1 R22.2 R302.1
CRITICAL_TEMP_ALERT: R176.1 R182.2 U5.2
CT: T1.3 T1.4
DATA1: Q19.5 Q19.6 Q19.7 Q19.8 Q22.1 Q22.2 Q22.3(S3) R268.1 T2.1 U46.15
DATA2: Q18.5 Q18.6 Q18.7 Q18.8 Q21.1 Q21.2 Q21.3(S3) R273.1 T2.10 U46.2
DC_IN_12V: D27.1 D28.1 J21.1 R284.2
DC_OK: R378.2 U16.1 U18.4(Y)
DEBUG_USBDM: J7.2 U26.7
DEBUG_USBDP: J7.3 U26.6
EE_CLK_C0_LED_P2_LED0: LED19.1 LED20.1 R688.2 U243.12
EE_DOUT_C1_LED: LED21.1 R690.2 R712.1 U243.11
EEPROM_WP: R394.1 R401.1 U21.8
EFUSE_IN_12V: C648.1 D27.2(CATHODE) D29.2(CATHODE) R643.2 R645.2 R650.2 U246.15 Z1.1(CATHODE)
EMMC_3V3: C372.1 C374.1 C375.1 C376.1 C377.1 C379.1 C381.1 C382.1 C384.1 C385.1 C386.1 C387.1 NR1.1 NR1.2 NR1.3 NR1.4 NR2.1 NR2.2 NR2.3 NR2.4 R106.1 R159.2 R168.2 R170.2 R174.2 R178.2 R419.1 R420.1 U24.4 U29.C6 U29.E6 U29.F5 U29.J10 U29.K9 U29.M4 U29.N4 U29.P3 U29.P5
EMMC_CLK: R420.2 U27.21 U29.M6
EMMC_CMD: R419.2 U27.22 U29.M5
EMMC_D0: NR1.6 U27.20 U29.A3
EMMC_D1: NR1.7 U27.19 U29.A4
EMMC_D2: NR1.8(N8) U27.18 U29.A5
EMMC_D3: NR1.5 U27.17 U29.B2
EMMC_D4: NR2.5 R178.1 U27.16 U29.B3
EMMC_D5: NR2.6 R174.1 U27.15 U29.B4
EMMC_D6: NR2.7 R170.1 U27.14 U29.B5
EMMC_D7: NR2.8(N8) R168.1 U27.13 U29.B6
ENODEB_IN_12V: C2B1.1 C40.2 C41.1 C48.1 C56.1 C236.1 C649.1 J1.1 J1.2 J4.PC2 J4.PC4 J13.PC1 J13.PC2 J16.PC1 J16.PC3 Q1.1 Q1.2 Q1.3(S3) R648.2 U8.18 U8.20 U8.21 U8.22 U246.12
ETH_SW_LED0: R308.2 R710.2
ETH_SWITCH_RST: R678.2 R695.2 U21.5
ETH_SWT_INT: R707.2 U21.7 U243.66
ETH_SWT_LED1_N: LED19.2 R709.1 R711.1 R715.1
ETH_SYNCE: R660.2 U1.AK13
FPGA_CFG_INIT_B_R: J4.36 R102.1
GPIO11: R7.1 U1.AK15
GPS_MODULE_RESET: R215.2 R687.2 U21.28
GPS_TIMEPULSE: R410.1 R412.1 U37.3
HDMI_CLK_DN: J4.99 J16.12
HDMI_CLK_DP: J4.98 J16.11
HDMI_DATA0_DN: J4.93 J16.3
HDMI_DATA0_DP: J4.92 J16.2
HDMI_DATA1_DN: J4.44 J16.6
HDMI_DATA1_DP: J4.43 J16.5
HDMI_DATA2_DN: J4.47 J16.9
HDMI_DATA2_DP: J4.46 J16.8
HDMI_SMB_SOC_CLK: J4.96 J16.35
HDMI_SMB_SOC_DAT: J4.95 J16.34
LED_DRIVER_RST_L: R674.1 R686.1 U21.2
LNA_RF_OUT: C155.2 U37.11
MASK_EXP_INT: R66.1 R482.2
MASK_PCIE_RXN: C255.1 J13.45
MASK_PCIE_RXP: C256.1 J13.44
MASK_PCIE_TXN: C74.2 J13.53
MASK_PCIE_TXP: C75.2 J13.54
MASK_SPI_CLK: J13.2 R307.2 R312.2
MASK_SPI_CS: J13.4 R306.2 R311.2
MASK_SPI_MISO: J13.5 R305.2 R310.2
MASK_SPI_MOSI: J13.6 R304.2 R309.2
MASK_UART_RX1: R57.1 U68.3
MASK_UART_TX1: R60.1 U68.6
MB_3V3_GPIO5: J13.24 U21.19
MB_3V3_GPIO6: J13.25 U21.20
MB_3V3_GPIO7: J16.14 U21.21
MB_3V3_GPIO8: J16.15 U21.22
MB_I2C_INT_3P3: R682.1 R683.2
MB_I2C_MASTER_SEL_3P3: R675.2 R680.2 SW10.3 U1.AG14
MB_I2C_SCL_3P3: J4.35 R169.2 R209.1 R210.2 R364.2 R622.1 R625.2 R631.1 R633.2 R635.1 R651.1 R697.1 TP18.1(TP) TP21.1(TP)
MB_I2C_SDA_3P3: J4.34 R171.2 R212.1 R213.2 R357.2 R623.1 R626.2 R630.1 R632.2 R636.1 R654.1 R698.1 TP19.1(TP) TP22.1(TP)
MB_I2C_SWITCH_RST: R676.2 R696.2 U21.1
MB_INT_3P3: J4.113 R620.1 R638.2 U87.11
MB_POWER_OK: J4.63 J13.12 J16.37 R11.1 U58.4
MB_POWER_OK_3V3: R481.1 U58.5
MMC_ISOLATE#: R161.1 U24.3 U24.6 U27.23(\\O\E\)
MODULE_SAFEBOOT_N: J4.115 R202.2
MODULE_UART_RX: R207.1 U68.2
MODULE_UART_TX: R205.1 U68.5
MPG: LED5.1 R236.2 U42.9
NC1: U1.W5
NC2: U1.AK1
NO_CPU: R705.2 R706.1 U243.45
P0_MODE_0: R699.2 R700.1 U243.48
P0_MODE_1: R701.2 R702.1 U243.47
P0_MODE_2: R703.2 R704.1 U243.46
P5_SMODE: R693.2 R694.1 U243.8
PA_ETH_D0N: T2.22 U55.1 U55.2 U55.3 U243.70
PA_ETH_D0P: T2.23 U55.8 U55.9 U55.10 U243.69
PA_ETH_D1N: T2.13 U52.8 U52.9 U52.10 U243.73
PA_ETH_D1P: T2.14(XP_D) U52.1 U52.2 U52.3 U243.72
PA_ETH_D2N: T2.16 U53.1 U53.2 U53.3 U243.76
PA_ETH_D2P: T2.17 U53.8 U53.9 U53.10 U243.75
PA_ETH_D3N: T2.19 U54.8 U54.9 U54.10 U243.78
PA_ETH_D3P: T2.20 U54.1 U54.2 U54.3 U243.77
PA_ETH_LED_G1: R655.2 R658.1 R713.2
PCIE0_CLKN: J4.58 R118.1
PCIE0_CLKP: J4.59 R119.1
PCIE0_RXN: C72.2 J4.56
PCIE0_RXP: C73.2 J4.55
PCIE0_TXN: C243.1 J4.5
PCIE0_TXP: C244.1 J4.6
PCIE2_CLKN: J4.66 J13.47
PCIE2_CLKP: J4.67 J13.48
PCIE2_RXN: J4.70 J13.51
PCIE2_RXP: J4.69 J13.50
PCIE2_TXN: J4.14 J13.38
PCIE2_TXP: J4.15 J13.39
PCIE_REFCLKN: C253.2 R283.2
PCIE_REFCLKP: C250.2 R285.2
PCU_RXD: J4.38 R295.2 R296.2
PCU_TXD: J4.37 R298.2
PG: D18.1(CATHODE) R263.2 U45.20
POWER_EN: R288.1 U5.4(Y) U63.1 U69.1
POWER_RECYCLE_H: R5.2 R395.2
PUSH_RESET: C238.1 R300.1 R303.2 SW1.3
R0_LED/P4_LED0/ADDR[0]N: R709.2 U243.17
R1_LED/P3_LED1/ADDR[1]N: R708.2 U243.16
RF_1V8: C112.1 C420.1 C421.1 L12.1 L28.1 U25.1 U65.1 U65.2 U65.3 U65.4 U65.15 U65.16
RF_3V3: C122.1 C437.1 L11.1 L13.2 L33.1 L44.2 L46.2 R450.1 R685.2 U25.5 U25.6(VCCB)
RF_CLK_IN: R201.1 R203.1 R211.2
RF_GPO0: TP33.1(PAD) U1.AB5
RF_GPO1: TP37.1(PAD) U1.AB2
RF_GPO2: TP35.1(PAD) U1.AB4
RF_GPO3: TP32.1(PAD) U1.AA5
RF_RESET_L: R160.1 U25.3
RJ45_LED_STATUS: J4.112 R659.2 U248.3
RSVD1: U1.L2
RSVD2: U1.L3
RSVD3: U1.L4
RSVD4: U1.L5
RSVD5: U1.M2
RSVD6: U1.M3
RSVD7: U1.M4
RSVD8: U1.M5
RSVD9: U1.AD28
RSVD10: U1.AF18
RSVD11: U1.AG19
RSVD12: U1.AG28
RSVD13: U1.AK29
RUN_LED: LED7.2 U21.15
RX: J8.1 R175.1
RX1A_ADI: C174.2 U40.3
RX1C: J11.1 U43.3
RX2A_ADI: C173.2 U39.3
SATA_LED_N: J4.29 J16.39
SATA_RXN0: J4.87 J16.31
